# Altium PCB Pleiades_PP.PcbDoc (part 2 of 15)
Units mil, origin at the board's own origin, x right, y up, seen from the top; angles counter-clockwise.
Board outline 12244.09 x 4515.28 mil, 12 copper layers (TOP, GND1, IN1, GND2, POW1, GND3, POW2, GND4, GND5, IN2, GND6, BOT), stack 63.546 mil thick; 1447 components, 738 nets, 4532 pads, 3316 vias.
Unrouted connection lines stored in the file: 499.
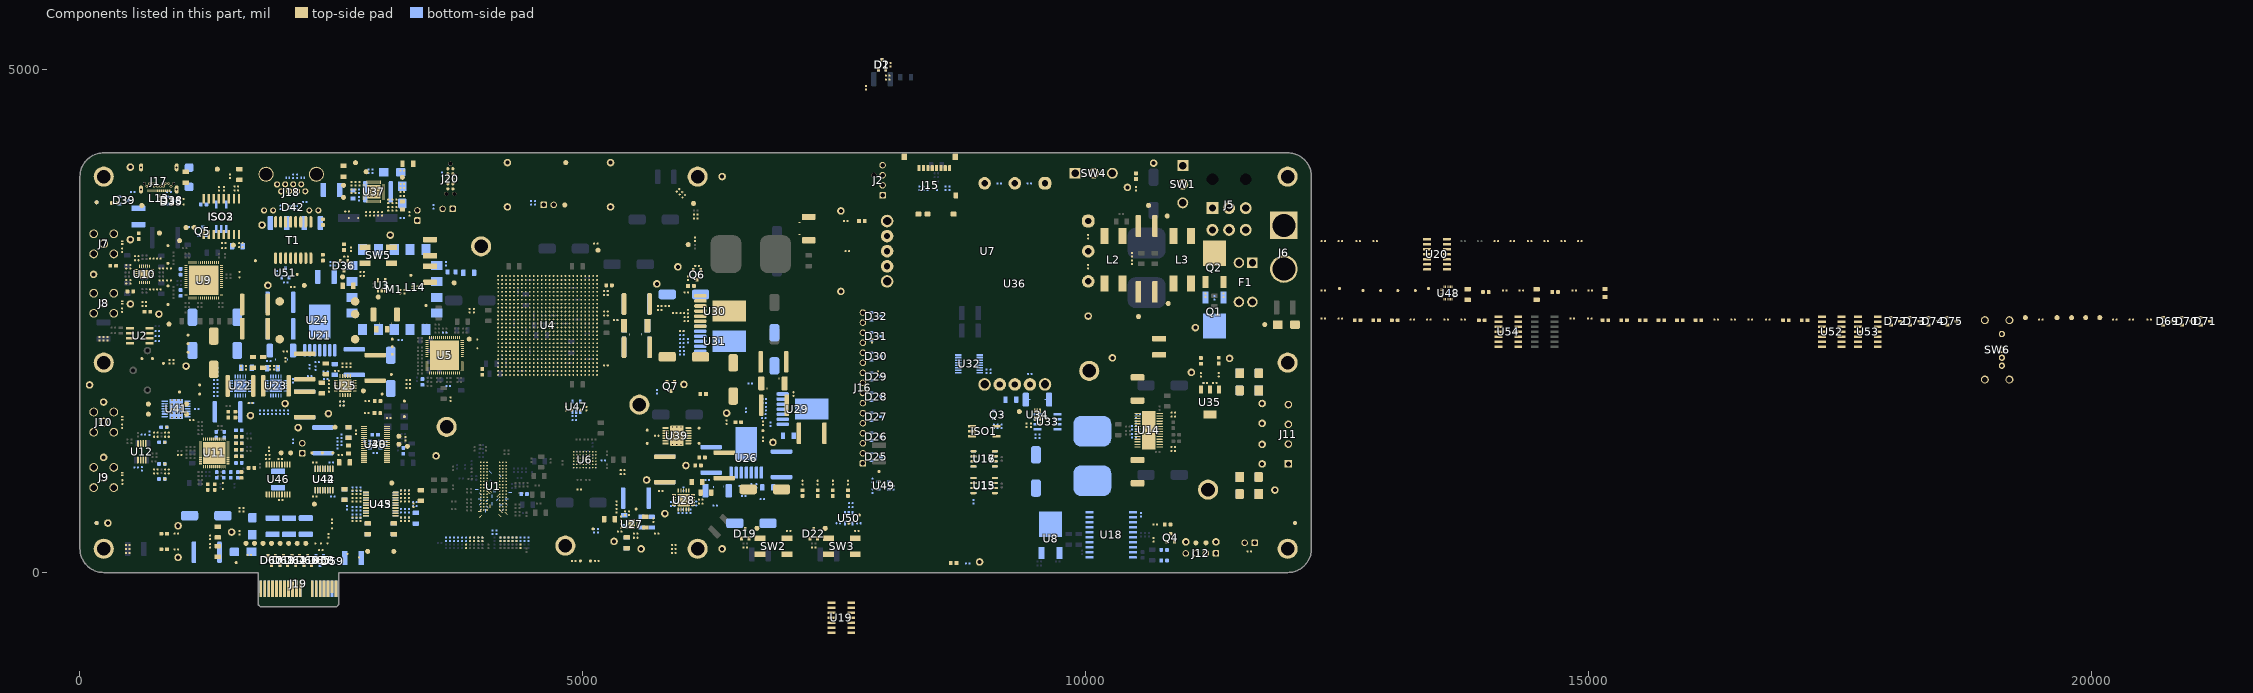
[diagram p12: the components of this part, seen from the top]

## Components (designator, comment, footprint, x,y, rotation, side; value= is the part's Value field where it differs from the comment) (continued)
C379 "DNF" CAP_0402 14082.6,3294.09 r180 top
C380 "DNF" CAP_0402 14242.6,3294.09 r180 top
C381 "DNF" CAP_0402 14412.6,3294.09 r180 top
C382 "DNF" CAP_0402 14577.6,3294.09 r180 top
C383 "DNF" CAP_0402 14747.6,3294.09 r180 top
C384 "DNF" CAP_0402 14912.6,3294.09 r180 top
C385 "100nF" CAP_0402 7875,2305 r90 top
C386 "100nF" CAP_0402 12362.6,3294.09 r180 top
C387 "100nF" CAP_0402 12532.6,3294.09 r180 top
C388 "100nF" CAP_0402 12707.6,3294.09 r180 top
C389 "100nF" CAP_0402 12877.6,3294.09 r180 top
C390 "22uF" CAP_2220 1595,1855 r0 top
C391 "22uF" CAP_2220 1947.98,1856.23 r180 top
C392 "22uF" CAP_2220 1468.49,1597.41 r180 bottom
C393 "470nF" CAP_0402 1705.18,1685.13 r180 bottom
C394 "22uF" CAP_2220 2233.49,2047.41 r90 top
C395 "22uF" CAP_2220 2233.49,1672.41 r270 top
C396 "22uF" CAP_2220 2233.49,1672.41 r270 bottom
C397 "470nF" CAP_0402 2118.49,1907.41 r90 bottom
C398 "470nF" CAP_0402 2283.49,2047.41 r270 bottom
C399 "10uF" CAP_1206 1655,2035 r180 bottom
C400 "1uF" CAP_1206 1720,2090 r90 top
C401 "47nF" CAP_0402 1650,2035 r90 top
C402 "10uF" CAP_1206 1913.49,2032.41 r0 bottom
C403 "1uF" CAP_1206 1820,2090 r90 top
C404 "47nF" CAP_0402 1890,2035 r90 top
C405 "22uF" CAP_2220 2728.49,2092.41 r270 bottom
C406 "1uF" CAP_1206 2533.49,2019.41 r270 bottom
C407 "MAL215099101E3" CAP_ALU_1010_vishay 1118.49,2538.12 r270 bottom value=100uF
C408 "MAL215099101E3" CAP_ALU_1010_vishay 1563.49,2538.12 r270 bottom value=100uF
C409 "22uF" CAP_2220 1993.49,2687.41 r0 bottom
C410 "22uF" CAP_2220 1993.49,2422.41 r0 bottom
C411 "100nF" CAP_0402 1878.49,2102.41 r0 bottom
C412 "47nF" CAP_0402 2605,1660 r0 top
C413 "47nF" CAP_0402 2610,2060 r90 top
C414 "MAL215099101E3" CAP_ALU_1010_vishay 3090,1830 r90 bottom value=100uF
C415 "22uF" CAP_2220 2935,2035 r270 top
C416 "1uF" CAP_1206 3000,2420 r180 top
C417 "MAL215099101E3" CAP_ALU_1010_vishay 1330,2020 r90 top value=100uF
C418 "47uF" CAP_2220 1740,2665 r180 top
C419 "22uF" CAP_2220 1740,2425 r180 top
C420 "470nF" CAP_0402 2045,2115 r270 top
C421 "100nF" CAP_0402 2042.5,2200 r0 top
C422 "10uF" CAP_1206 2445,2025 r90 top
C423 "100nF" CAP_0402 2555,2005 r180 top
C424 "100nF" CAP_0402 2475,1890 r270 top
C425 "47uF" CAP_2220 2415,1315 r270 bottom
C426 "10uF" CAP_1206 2405,1835 r90 top
C427 "100nF" CAP_0402 2475,1815 r90 top
C428 "100nF" CAP_0402 2605,1700 r0 top
C429 "470nF" CAP_0402 6575,860.81 r0 bottom
C430 "100nF" CAP_0402 5525.12,345.77 r180 top
C431 "1nF" CAP_0402 5525.12,385.77 r180 top
C432 "100nF" CAP_0402 5460.12,590.77 r90 top
C433 "1nF" CAP_0402 5420.12,590.77 r90 top
C434 "22uF" CAP_2220 6975,1075.81 r90 bottom
C435 "1uF" CAP_1206 6838,845.81 r0 bottom
C436 "MAL215099101E3" CAP_ALU_1010_vishay 6840.71,490 r180 bottom value=100uF
C437 "MAL215099101E3" CAP_ALU_1010_vishay 6975,825.81 r180 top value=100uF
C438 "22uF" CAP_2220 6405,1065.81 r90 top
C439 "22uF" CAP_2220 6275,1120.81 r90 bottom
C440 "100nF" CAP_0402 6237.5,920.81 r0 bottom
C441 "2.2uF" CAP_1206 5265.12,530.77 r180 top
C442 "47nF" CAP_0402 5380.12,538.27 r90 top
C443 "10uF" CAP_1206 5585.12,500.77 r270 bottom
C444 "1uF" CAP_1206 5685.12,500.45 r270 bottom
C445 "1uF" CAP_1206 5620.12,500.77 r270 top
C446 "10uF" CAP_1206 5410.12,515.77 r90 bottom
C447 "10uF" CAP_1206 5435.12,295.77 r270 bottom
C448 "10uF" CAP_1206 5435.12,295.77 r270 top
C449 "100nF" CAP_0402 5365.12,405.77 r180 top
C450 "1nF" CAP_0402 5380.12,463.27 r270 top
C451 "22uF" CAP_2220 5815,1025.14 r90 bottom
C452 "22uF" CAP_2220 5815,1025.14 r90 top
C453 "22uF" CAP_2220 5528,740.14 r180 bottom
C454 "470nF" CAP_0402 5775,810.14 r180 top
C455 "10uF" CAP_1206 6135,900.14 r0 top
C456 "1uF" CAP_1206 6225,795.14 r0 top
C457 "47nF" CAP_0402 6170,725.14 r0 top
C458 "470nF" CAP_0402 6805,1725 r180 bottom
C459 "470nF" CAP_0402 6030,2500 r180 top
C460 "470nF" CAP_0402 5985,2400 r180 bottom
C461 "MAL215099101E3" CAP_ALU_1010_vishay 6170,2765 r180 bottom value=100uF
C462 "22uF" CAP_2220 5535,2670 r0 bottom
C463 "22uF" CAP_2220 5536,2240 r0 bottom
C464 "100nF" CAP_0402 5325,2510 r180 bottom
C465 "22uF" CAP_2220 7275,1385 r0 top
C466 "1uF" CAP_1206 7043,1360 r0 bottom
C467 "MAL215099101E3" CAP_ALU_1010_vishay 6495,2085 r270 top value=100uF
C468 "MAL215099101E3" CAP_ALU_1010_vishay 6905,2385 r270 bottom value=100uF
C469 "22uF" CAP_2220 6895,2095 r0 top
C470 "22uF" CAP_2220 6900,1665 r0 top
C471 "100nF" CAP_0402 6662.5,1880 r180 bottom
C472 "MAL215099101E3" CAP_ALU_1010_vishay 6170,2145 r180 top value=100uF
C473 "22uF" CAP_2220 5536,2670 r0 top
C474 "22uF" CAP_2220 5536,2240 r0 top
C475 "100nF" CAP_0402 5325,2510 r180 top
C476 "100nF" CAP_0402 9535,1480 r180 top
C477 "100nF" CAP_0402 9622.5,1525 r180 top
C478 "100nF" CAP_0402 9014.68,2000 r90 bottom
C479 "100nF" CAP_0402 7935,1980 r90 top
C480 "MAL214699108E3" CAP_ALU_1616_vishay 10065,912.87 r90 bottom value=470uF
C481 "MAL215099101E3" CAP_ALU_1010_vishay 9505,840 r90 bottom value=100uF
C482 "10uF" CAP_1206 9255,1720 r180 bottom
C483 "100nF" CAP_0402 11285,1885 r180 top
C484 "100nF" CAP_0402 11190,1885 r0 top
C485 "100nF" CAP_0402 11190,1885 r0 bottom
C486 "1nF" CAP_1812 10730,2245 r270 top
C487 "10uF" CAP_1206 3865,2980 r0 bottom
C488 "4.7nF" CAP_1812 3480,2965 r270 top
C489 "10uF" CAP_1206 2665,2850 r0 top
C490 "100nF" CAP_0402 3640,3070 r90 bottom
C491 "4.7nF" CAP_1812 3480,3230 r90 top
C492 "1uF" CAP_1206 1585,3958 r90 top
C493 "100nF" CAP_0402 1555,3840 r180 top
C494 "100nF" CAP_0402 1555,3800 r180 top
C495 "1uF" CAP_1206 1565,3245 r180 bottom
C496 "100nF" CAP_0402 1600,3235 r0 top
C497 "100nF" CAP_0402 1600,3275 r0 top
C498 "1uF" CAP_1206 1050,3930 r90 top
C499 "470nF" CAP_0402 1490,3940 r90 top
C500 "470nF" CAP_0402 3185,2310 r180 bottom
C501 "1nF" CAP_1812 580,3540 r270 bottom
C502 "4.7nF" CAP_1812 2445,2940 r180 bottom
C503 "100nF" CAP_0402 2490,3070 r90 bottom
C504 "1nF" CAP_1812 2500,3805 r0 bottom
C505 "100nF" CAP_0402 1995,3125.96 r90 bottom
C506 "100nF" CAP_0402 2245,3125.96 r90 bottom
C507 "1nF" CAP_1812 1975,3475 r180 bottom
C508 "1nF" CAP_1812 2310,3475 r0 bottom
C509 "22pF" CAP_0402 2655,3590 r180 top
C510 "22pF" CAP_0402 3205,3525 r0 bottom
C511 "10uF" CAP_1206 3260,4065 r0 top
C512 "100nF" CAP_0402 3065,3615 r90 top
C513 "47nF" CAP_0402 3105,3615 r90 top
C514 "1nF" CAP_0402 3145,3615 r90 top
C515 "22uF" CAP_2220 2965,3785 r180 bottom
C516 "100nF" CAP_0402 3145,3690 r270 top
C517 "47nF" CAP_0402 3105,3690 r270 top
C518 "1nF" CAP_0402 3065,3690 r270 top
C519 "100nF" CAP_0402 2775,3715 r90 bottom
C520 "100nF" CAP_0402 2775,3790 r270 bottom
C521 "47nF" CAP_0402 2700,3790 r270 top
C522 "1nF" CAP_0402 2740,3790 r270 top
C523 "2.2uF" CAP_1206 2620,3990 r90 top
C524 "100nF" CAP_0402 2700,3865 r90 top
C525 "47nF" CAP_0402 2740,3865 r90 top
C526 "1nF" CAP_0402 2780,3865 r90 top
C527 "100nF" CAP_0402 2935,1190 r180 bottom
C528 "100nF" CAP_0402 5735,1360 r180 top
C529 "22pF" CAP_0402 2822.28,1313.35 r270 bottom
C530 "10uF" CAP_1206 2669.49,1392.09 r90 bottom
C531 "100nF" CAP_0402 1160,1625 r0 bottom
C532 "100nF" CAP_0402 3050,1285 r90 bottom
C533 "1uF" CAP_1206 2630,1095 r180 top
C534 "100nF" CAP_0402 2590,1170 r180 top
C535 "1uF" CAP_1206 2669.49,1392.09 r90 top
C536 "100nF" CAP_0402 2745,1395 r90 top
C537 "100nF" CAP_0402 2470,365 r90 top
C538 "100nF" CAP_0402 2505,510 r90 top
C539 "100nF" CAP_0402 2335,755 r0 top
C540 "100nF" CAP_0402 2515,755 r180 bottom
C541 "100nF" CAP_0402 2335,1095 r0 top
C542 "100nF" CAP_0402 2500,1095 r180 bottom
C543 "1nF" CAP_1812 1970,925 r90 bottom
C544 "100nF" CAP_0402 1995,720 r180 top
C545 "1nF" CAP_1812 2715,145 r180 bottom
C546 "100nF" CAP_0402 1865,1130 r180 top
C547 "100nF" CAP_0402 1990,1130 r180 top
C548 "1nF" CAP_1812 2080,460 r270 bottom
C549 "1uF" CAP_1206 2860,435 r270 top
C550 "100nF" CAP_0402 2710,530 r270 top
C551 "100nF" CAP_0402 2710,725 r270 top
C552 "1nF" CAP_0402 2750,530 r270 top
C553 "1nF" CAP_0402 2750,725 r270 top
C554 "330pF" CAP_0402 2790,530 r270 top
C555 "330pF" CAP_0402 2790,725 r270 top
C556 "47uF" CAP_2220 1260,201.12 r0 bottom
C557 "10uF" CAP_1206 1370,210 r90 top
C558 "100nF" CAP_0402 1295,265 r90 top
C559 "100nF" CAP_0402 1685,175 r180 top
C560 "MAL215099101E3" CAP_ALU_1010_vishay 1420.71,565 r180 bottom value=100uF
C561 "10uF" CAP_1206 1370.08,402 r270 top
C562 "100nF" CAP_0402 1295,350 r270 top
C563 "100nF" CAP_0402 1585,395 r90 top
C564 "330pF" CAP_0402 3190,725 r270 top
C565 "330pF" CAP_0402 3190,530 r270 top
C566 "1nF" CAP_0402 3230,725 r270 top
C567 "1nF" CAP_0402 3230,530 r270 top
C568 "100nF" CAP_0402 3270,725 r270 top
C569 "100nF" CAP_0402 3270,530 r270 top
C570 "1uF" CAP_1206 3120,435 r270 top
C571 "1nF" CAP_1812 1915,460 r270 bottom
C572 "1uF" CAP_1206 2630,775 r270 top
C573 "47nF" CAP_0402 2710,800 r270 top
C574 "1nF" CAP_0402 2750,800 r270 top
C575 "330pF" CAP_0402 2790,800 r270 top
C576 "330pF" CAP_0402 3190,800 r270 top
C577 "1nF" CAP_0402 3230,800 r270 top
C578 "47nF" CAP_0402 3270,800 r270 top
C579 "1uF" CAP_1206 3390,765 r270 top
C580 "1uF" CAP_1206 2630,775 r270 bottom
C581 "100nF" CAP_0402 2710,830 r90 bottom
C582 "100nF" CAP_0402 2710,633.6 r90 bottom
C583 "1nF" CAP_0402 2750,830 r90 bottom
C584 "1nF" CAP_0402 2750,633.6 r90 bottom
C585 "330pF" CAP_0402 2790,830 r90 bottom
C586 "330pF" CAP_0402 2790,633.6 r90 bottom
C587 "330pF" CAP_0402 3190,615 r90 bottom
C588 "330pF" CAP_0402 3190,800 r90 bottom
C589 "1nF" CAP_0402 3230,615 r90 bottom
C590 "1nF" CAP_0402 3230,800 r90 bottom
C591 "100nF" CAP_0402 3270,615 r90 bottom
C592 "100nF" CAP_0402 3270,800 r90 bottom
C593 "1uF" CAP_1206 3340,540 r270 bottom
C594 "1uF" CAP_1206 2860,435 r270 bottom
C595 "47nF" CAP_0402 2710,558.6 r90 bottom
C596 "1nF" CAP_0402 2750,558.6 r90 bottom
C597 "330pF" CAP_0402 2790,558.6 r90 bottom
C598 "330pF" CAP_0402 3190,530 r270 bottom
C599 "1nF" CAP_0402 3230,530 r270 bottom
C600 "47nF" CAP_0402 3270,530 r270 bottom
C601 "1uF" CAP_1206 3120,435 r270 bottom
C602 "1nF" CAP_1812 2245,461 r270 bottom
C603 "1uF" CAP_1206 13797.6,2764.09 r270 top
C604 "220nF" CAP_0603 13977.6,2789.09 r180 top
C605 "100nF" CAP_0402 14167.6,2804.09 r180 top
C606 "100nF" CAP_0402 14332.6,2804.09 r180 top
C607 "1uF" CAP_1206 14482.6,2764.09 r270 top
C608 "220nF" CAP_0603 14667.6,2789.09 r180 top
C609 "100nF" CAP_0402 14857.6,2804.09 r180 top
C610 "100nF" CAP_0402 15017.6,2804.09 r180 top
C611 "100nF" CAP_0402 4915,1514.16 r0 bottom
C612 "100nF" CAP_0402 4915,1555 r0 bottom
C613 "100nF" CAP_0402 8885,705 r270 bottom
C614 "100nF" CAP_0402 8089.27,845 r90 bottom
C615 "100nF" CAP_0402 12362.6,2804.09 r180 top
C616 "100nF" CAP_0402 7665.2,689.96 r180 bottom
C617 "100nF" CAP_0402 7665.2,649.96 r180 bottom
C618 "100nF" CAP_0402 1960,2980 r90 bottom
C619 "100nF" CAP_0402 3600,3960 r90 bottom
C620 "100nF" CAP_0402 14837.6,2524.09 r180 top
C621 "100nF" CAP_0402 15012.6,2524.09 r180 top
C622 "100nF" CAP_0402 12362.6,2524.09 r180 top
C623 "100nF" CAP_0402 12532.6,2524.09 r180 top
D1 "BAV99-7-F" SOT23-3 7975,5050 r180 bottom
D2 "BAV99-7-F" SOT23-3 7975,5050 r0 top
D3 "SMBJ33-13" "DO214AA (SMB)" 11995,2465 r0 top
D4 "24V_IN" LED_0603 10500,3940 r90 top value=RED
D5 "5V" LED_0603 8686.46,95 r180 top value=RED
D6 "TPD1E1B04DPYR" TVS_DATA_TPD1E1B04DPYR 420,3280 r90 top
D7 "TPD1E1B04DPYR" TVS_DATA_TPD1E1B04DPYR 420,2685 r90 top
D8 "TPD1E1B04DPYR" TVS_DATA_TPD1E1B04DPYR 421.06,980 r90 top
D9 "TPD1E1B04DPYR" TVS_DATA_TPD1E1B04DPYR 420,1533.79 r90 top
D10 "SMBJ33-13" "DO214AA (SMB)" 11720,1895.28 r90 bottom
D11 "SMBJ33-13" "DO214AA (SMB)" 11720,1895.28 r90 top
D12 "SMBJ33-13" "DO214AA (SMB)" 11530,865 r270 bottom
D13 "SMBJ33-13" "DO214AA (SMB)" 11530,865 r270 top
D14 "B340B-13-F" "DO214AA (SMB)" 11530,1895.28 r270 bottom
D15 "B340B-13-F" "DO214AA (SMB)" 11530,1895.28 r270 top
D16 "B340B-13-F" "DO214AA (SMB)" 11720,865 r90 bottom
D17 "B340B-13-F" "DO214AA (SMB)" 11720,865 r90 top
D18 "CAN" LED_0603 10814.94,477.69 r0 top value=ORANGE
D19 "BAV99-7-F" SOT23-3 6615,385 r0 top
D20 "LED1" LED_0603 7185,790 r270 top value=ORANGE
D21 "LED2" LED_0603 7335,790 r270 top value=ORANGE
D22 "BAV99-7-F" SOT23-3 7295,385 r0 top
D23 "LED3" LED_0603 7485,790 r270 top value=ORANGE
D24 "LED4" LED_0603 7635,790 r270 top value=ORANGE
D25 "BAV99-7-F" SOT23-3 7917.54,1149 r90 bottom
D26 "BAV99-7-F" SOT23-3 7917.54,1349 r90 bottom
D27 "BAV99-7-F" SOT23-3 7917.54,1549 r90 bottom
D28 "BAV99-7-F" SOT23-3 7917.54,1749 r90 bottom
D29 "BAV99-7-F" SOT23-3 7917.54,1949 r90 bottom
D30 "BAV99-7-F" SOT23-3 7917.54,2149 r90 bottom
D31 "BAV99-7-F" SOT23-3 7917.54,2349 r90 bottom
D32 "BAV99-7-F" SOT23-3 7917.54,2549 r90 bottom
D33 "24V_MOT" LED_0603 11322.7,2106.46 r90 top value=RED
D34 "5V_MOT" LED_0603 11145,2105 r90 top value=RED
D35 "TPD2E001DRLR" TVS_USB_TPD2E001DRLR 910,3685 r90 top value="11V Breakdown"
D36 "BAV99-7-F" SOT23-3 2625,3050 r180 top
D37 "SMBJ5.0CA" TVS_PWR_SMBJ5.0CA 1085,3930 r90 bottom value="Vbr = 6.4V -  Clamp = 9.2V"
D38 "BAV99-7-F" SOT23-3 912.68,3700 r90 bottom
D39 "BAV99-7-F" SOT23-3 440,3700 r90 bottom
D40 "USB" LED_0603 347.57,3673.31 r180 top value=RED
D41 "RESET" LED_0603 2625,3235 r90 top value=ORANGE
D42 "TPD4E05U06" TVS_DATA_TPD4E05U06 2120,3630 r270 bottom value="4 unidirectionnal channels"
D43 "B340B-13-F" "DO214AA (SMB)" 3105,3980 r0 bottom
D44 "TPD1E1B04DPYR" TVS_DATA_TPD1E1B04DPYR 2065,3925 r180 bottom
D45 "TPD1E1B04DPYR" TVS_DATA_TPD1E1B04DPYR 2215,3925 r0 bottom
D46 "B340B-13-F" "DO214AA (SMB)" 3205,3755 r270 bottom
D47 "-6V" LED_0603 2959,1705 r0 top value=RED
D48 "+12V" LED_0603 7775,3495 r0 top value=RED
D49 "+6V" LED_0603 2957,1585 r0 top value=RED
D50 "+1V8D" LED_0603 6075,2850 r0 top value=RED
D51 "+3V3D" LED_0603 6545,1495 r0 top value=RED
D52 "+1V2" LED_0603 6195,1775 r180 top value=RED
D53 "+2V5D" LED_0603 6185,1145 r0 top value=RED
D54 "SMBJ33-13" "DO214AA (SMB)" 1715,460 r90 bottom
D55 "SMBJ33-13" "DO214AA (SMB)" 1620,205 r180 bottom
D56 "12V_PCI" LED_0603 837.5,231.12 r180 top value=RED
D57 "3V3_PCI" LED_0603 837.5,386 r180 top value=RED
D58 "TPD4E05U06" TVS_DATA_TPD4E05U06 2425.32,119.84 r90 top value="4 unidirectionnal channels"
D59 "TPD2E001DRLR" TVS_USB_TPD2E001DRLR 2513.43,110.31 r0 bottom value="11V Breakdown"
D60 "BAV99-7-F" SOT23-3 1905,120 r0 bottom
D61 "BAV99-7-F" SOT23-3 2025,120 r180 bottom
D62 "BAV99-7-F" SOT23-3 2145,120 r0 bottom
D63 "BAV99-7-F" SOT23-3 2265,120 r180 bottom
D64 "BAV99-7-F" SOT23-3 2145,120 r180 top
D65 "BAV99-7-F" SOT23-3 2385,120 r0 bottom
D66 "BAV99-7-F" SOT23-3 2265,120 r0 top
D67 "BAV99-7-F" SOT23-3 1905,120 r180 top
D68 "BAV99-7-F" SOT23-3 2025,120 r0 top
D69 "BAV99-7-F" SOT23-3 20757.6,2499.09 r270 top
D70 "BAV99-7-F" SOT23-3 20947.6,2499.09 r270 top
D71 "BAV99-7-F" SOT23-3 21132.6,2499.09 r270 top
D72 "BAV99-7-F" SOT23-3 18052.6,2499.09 r270 top
D73 "BAV99-7-F" SOT23-3 18242.6,2499.09 r270 top
D74 "BAV99-7-F" SOT23-3 18427.6,2499.09 r270 top
D75 "BAV99-7-F" SOT23-3 18612.6,2499.09 r270 top
F1 "3568" 3568 11590,2885 r270 top
F2 "0297010.WXNV" 0297010.WXNV 11590,2885 r90 top
FB1 "782633601" IND_0603 3215,1210 r90 bottom
FB2 "782633601" IND_0603 3405,1895 r270 bottom
FB3 "782633601" IND_0603 10780,225 r0 bottom
FB4 "782633601" IND_0603 10780,120 r0 bottom
FB5 "782853152" IND_0805 3695,2990 r180 bottom
FB6 "782853152" IND_0805 3205,3650 r90 top
FB7 "782853152" IND_0805 2715,3760 r90 bottom
FB8 "782853152" IND_0805 2670,1225 r90 top
FB9 "782853152" IND_0805 15162.6,2779.09 r270 top
FD1 "FIDUCIAL" FIDUCIAL 165.35,3681.54 r0 top locked
FD2 "FIDUCIAL" FIDUCIAL 165.35,492.13 r0 top locked
FD3 "FIDUCIAL" FIDUCIAL 12080.67,492.13 r0 top locked
FD4 "FIDUCIAL" FIDUCIAL 165.35,3681.54 r180 bottom locked
FD5 "FIDUCIAL" FIDUCIAL 165.35,492.13 r180 bottom locked
FD6 "FIDUCIAL" FIDUCIAL 12080.67,492.13 r180 bottom locked
H1 "12 LAYERS" LAYERS_12 11267.72,74.8 r0 top locked
H3 "MTS-20" STANDOFF_MTS-20 6141.73,236.22 r180 bottom locked
H5 "MTS-20" STANDOFF_MTS-20 236.22,236.22 r180 bottom locked
H7 "MTS-20" STANDOFF_MTS-20 236.22,2086.61 r180 bottom locked
H9 "MTS-20" STANDOFF_MTS-20 12007.87,2086.61 r180 bottom locked
H11 "MTS-20" STANDOFF_MTS-20 236.22,3937.01 r180 bottom locked
H13 "MTS-20" STANDOFF_MTS-20 6141.73,3937.01 r180 bottom locked
H15 "MTS-20" STANDOFF_MTS-20 12007.87,3937.01 r180 bottom locked
H17 "MTS-20" STANDOFF_MTS-20 12007.87,236.22 r180 bottom locked
HEAT1 "ATS-CPX025025015-166-C1-R0" ATS-CPX025025015-166-C1-R0 4235.79,857.72 r0 top
HEAT2 "ATS-H1-152-C2-R0" ATS-H1-152-C2-R0 4775.16,2456.14 r0 top
HEAT3 "ATS-CPX025025015-166-C1-R0" ATS-CPX025025015-166-C1-R0 10625.55,1414.45 r0 top
ISO1 "ACPL-M72T" SOIC-5_4.4MM 8990,1405 r180 top
ISO2 "ADUM3160BRWZ-RL" ISO_ADUM3160BRWZ-RL 1405,3538.25 r270 top value="2500Vrms voltage isolation"
ISO3 "ACPL-M72T" SOIC-5_4.4MM 1405,3538.25 r270 bottom
J1 "RFUSE" HEADER-2_100MIL 4660,3655 r0 top
J2 "FAN" FAN_HEADER-4 7980,3900 r90 top
J4 "WDT_RST_EN" HEADER-2_100MIL 3355,3550 r90 top
J5 "0039300060" CON_MINIFIT_0039300060 11425.2,3803.91 r0 top locked
J6 "BATTERY_IN" XT90 11970,3235 r270 top locked
J7 "IN1" CONN_SMA_5-1814400-1 236.22,3267.72 r90 top locked
J8 "IN2" CONN_SMA_5-1814400-1 236.22,2677.17 r90 top locked
J9 "OUT1" CONN_SMA_5-1814400-1 236.22,944.88 r90 top
J10 "OUT2" CONN_SMA_5-1814400-1 236.22,1496.06 r90 top
J11 "MOTORS" CONN_TERMINAL_OSTTA040161 12014.43,1375 r90 top
J12 "CANBUS" HEADER-4_100MIL 11145,190 r180 top
J13 "CAN_TERM" HEADER-2_100MIL 11630,295 r180 top
J15 "5025700893" MICROSD_5025700893 8450,3855 r0 top
J16 "DEBUG IO CONNECTOR" HEADER-16_100MIL 7785,1835 r90 top
J17 "UJ31-CH-G2-SMT-TR" UJ31-CH-G2-SMT-TR 785,3975 r180 top
J18 "RJHSE-5385" CONN_ETHERNET_RJHSE-5385 2100,3860 r180 top
J19 "PCIe_x1" PCIe_x1 1797.24,-161.42 r0 top locked
J20 "Tag-Connect 10 pin" TC2050-NL 3682.45,3915 r270 top
J22 "TAG_RST" HEADER-2_100MIL 3655,3615 r180 top
J24 "PCI_RST" HEADER-2_100MIL 2210,1235 r90 top
L1 "74439346100" 74439346100 10605,3445 r180 top
L2 "PLT10HH101150PNL" IND_PLT10HH101150PNL 10275,3110 r0 top value="100R @ 10MHz"
L3 "PLT10HH101150PNL" IND_PLT10HH101150PNL 10960,3110 r0 top value="100R @ 10MHz"
L4 "74439346100" 74439346100 10605,2790 r0 top
L5 "ASCH0010050547NJCP" IND_0402 715,3120 r0 top
L6 "ASCH0010050547NJCP" IND_0402 810,3025 r0 top
L7 "ASCH0010050547NJCP" IND_0402 810,2905 r0 top
L8 "ASCH0010050547NJCP" IND_0402 715,2815 r0 top
L9 "ASCH0010050547NJCP" IND_0402 865,985 r180 top
L10 "ASCH0010050547NJCP" IND_0402 865,1025 r180 top
L11 "ASCH0010050547NJCP" IND_0402 865,1390 r180 top
L12 "ASCH0010050547NJCP" IND_0402 865,1350 r180 top
L13 "DLM11SN900HY2L" DLM11SN900HY2L 785,3720 r270 top
L14 "DLM11SN900HY2L" DLM11SN900HY2L 3335,2835 r0 top
M1 "410-357-B" MOD_JTAG_410-357-B 3125,2815 r180 bottom
MT1 "M3" MTH_M3 236.22,3937.01 r0 top locked
MT2 "M3" MTH_M3 236.22,2086.61 r0 top locked
MT3 "M3" MTH_M3 6141.73,3937.01 r0 top locked
MT4 "M3" MTH_M3 6141.73,236.22 r0 top locked
MT5 "M3" MTH_M3 236.22,236.22 r0 top locked
MT6 "M3" MTH_M3 12007.87,2086.61 r0 top locked
MT7 "M3" MTH_M3 12007.87,236.22 r0 top locked
MT8 "M3" MTH_M3 12007.87,3937.01 r0 top locked
NT1 "Net Tie" NETTIE_9 4078.74,660.7 r90 top net-tie
NT2 "Net Tie" NETTIE_9 4276.34,795.31 r180 bottom net-tie
NT3 "Net Tie" NETTIE_9 4181.82,669.29 r180 bottom net-tie
NT4 "Net Tie" NETTIE_9 3982.79,780.99 r315 bottom net-tie
NT5 "Net Tie" NETTIE_9 4048.71,652.08 r135 bottom net-tie
NT6 "Net Tie" NETTIE_9 4080.2,809.56 r135 top net-tie
NT7 "Net Tie" NETTIE_9 3982.79,683.58 r45 bottom net-tie
NT8 "Net Tie" NETTIE_9 4064.46,793.81 r135 top net-tie
NT9 "Net Tie" NETTIE_9 4237.68,683.58 r135 bottom net-tie
NT10 "Net Tie" NETTIE_9 4094.49,756.62 r270 bottom net-tie
NT11 "Net Tie" NETTIE_9 4048.71,718 r225 bottom net-tie
NT12 "Net Tie" NETTIE_9 3944.16,826.77 r0 bottom net-tie
NT13 "Net Tie" NETTIE_9 4203.26,620.58 r45 bottom net-tie
NT14 "Net Tie" NETTIE_9 4080.2,998.54 r135 bottom net-tie
NT15 "Net Tie" NETTIE_9 3982.79,620.58 r45 bottom net-tie
NT16 "Net Tie" NETTIE_9 4174.69,967.04 r135 bottom net-tie
NT17 "Net Tie" NETTIE_9 4237.68,589.09 r135 top net-tie
NT18 "Net Tie" NETTIE_9 3975.66,606.3 r0 top net-tie
NT19 "Net Tie" NETTIE_9 4031.5,613.46 r90 bottom net-tie
NT20 "Net Tie" NETTIE_9 4156.02,762.32 r45 top net-tie
NT21 "Net Tie" NETTIE_9 4174.69,566.82 r135 top net-tie
NT22 "Net Tie" NETTIE_9 4152.79,727.79 r45 bottom net-tie
NT23 "Net Tie" NETTIE_9 3975.66,732.28 r0 bottom net-tie
NT24 "Net Tie" NETTIE_9 4126.01,812.11 r90 bottom net-tie
NT25 "Net Tie" NETTIE_9 3982.79,557.59 r45 top net-tie
NT26 "Net Tie" NETTIE_9 4244.81,732.28 r180 bottom net-tie
NT27 "Net Tie" NETTIE_9 4113.99,812.11 r90 bottom net-tie
NT28 "Net Tie" NETTIE_9 4190.44,604.84 r135 top net-tie
NT29 "Net Tie" NETTIE_9 4095,685.66 r90 bottom net-tie
NT38 "Net Tie" NETTIE_5 7156.04,3480 r180 top net-tie
NT39 "Net Tie" NETTIE_5 7156.04,3360 r180 top net-tie
NT40 "Net Tie" NETTIE_5 2063.49,2118.45 r270 bottom net-tie
NT41 "Net Tie" NETTIE_5 1943.49,2118.45 r270 bottom net-tie
NT42 "Net Tie" NETTIE_5 3095,2476.04 r270 top net-tie
NT43 "Net Tie" NETTIE_5 2975,2476.04 r270 top net-tie
NT44 "Net Tie" NETTIE_5 6395,854.5 r90 bottom net-tie
NT45 "Net Tie" NETTIE_5 6300,849.5 r90 bottom net-tie
NT46 "Net Tie" NETTIE_5 6950,1929.5 r90 top net-tie
NT47 "Net Tie" NETTIE_5 6830,1830.5 r270 top net-tie
NT48 "Net Tie" NETTIE_5 5586,2366.04 r270 top net-tie
NT49 "Net Tie" NETTIE_5 5466,2366.04 r270 top net-tie
NT50 "Net Tie" NETTIE_5 5586,2370.54 r270 bottom net-tie
NT51 "Net Tie" NETTIE_5 5466,2366.04 r270 bottom net-tie
NT52 "Net Tie" NETTIE_5 9600,1720 r180 bottom net-tie
NT53 "Net Tie" NETTIE_5 9440.5,1720 r0 bottom net-tie
Q1 "FQD8P10TM-F085" DPAK 11280,2595 r0 bottom
Q2 "FQD8P10TM-F085" DPAK 11280,3030 r0 top
Q3 "SI2310-TP" TRX_NMOS_SI2310-TP 9125,1570 r0 bottom
Q4 "SI2310-TP" TRX_NMOS_SI2310-TP 10845,344.69 r90 top
Q5 "SI2310-TP" TRX_NMOS_SI2310-TP 1220,3395 r90 bottom
Q6 "BSH105" SOT23-3 6135,2960 r180 top
Q7 "BSH105" SOT23-3 5875,1850 r180 top
R1 "DNF" RES_0402 194.88,2325 r90 top
R2 "DNF" RES_0402 235,2325 r90 top
R3 "DNF" RES_0402 274.88,2325 r90 top
R4 "DNF" RES_0402 5945.67,3799.33 r225 top
R5 "DNF" RES_0402 5975,3770 r225 top
R6 "DNF" RES_0402 6003.28,3741.72 r225 top
R7 "DNF" RES_0402 5905,275 r180 top
R8 "DNF" RES_0402 5905,235 r180 top
R9 "DNF" RES_0402 5905,195 r180 top
R10 "DNF" RES_0402 475,275 r0 top
R11 "DNF" RES_0402 475,235 r0 top
R12 "DNF" RES_0402 475,195 r0 top
R13 "240R" RES_0603 4415,780 r180 bottom
R14 "4K7" RES_0402 4380,260 r270 top
R15 "40R2" RES_0402 4380.15,330.27 r270 bottom
R16 "40R2" RES_0402 3960,330 r270 top
R17 "40R2" RES_0402 4260,330 r270 bottom
R18 "40R2" RES_0402 3760,330 r270 bottom
R19 "40R2" RES_0402 3960,330 r270 bottom
R20 "40R2" RES_0402 4180,330 r270 top
R21 "40R2" RES_0402 3840,330 r270 bottom
R22 "40R2" RES_0402 4000,330 r270 top